# Altium PCB TinyHawk_PCB.PcbDoc (part 2 of 6)
Units mil, origin at the board's own origin, x right, y up, seen from the top; angles counter-clockwise.
Board outline 3399.79 x 3628.14 mil, 6 copper layers (Top Layer, Ground, Signal Layer 2, Signal Layer 1, Power, Bottom Layer), stack 58.153 mil thick; 370 components, 355 nets, 1615 pads, 674 vias.
Unrouted connection lines stored in the file: 1.
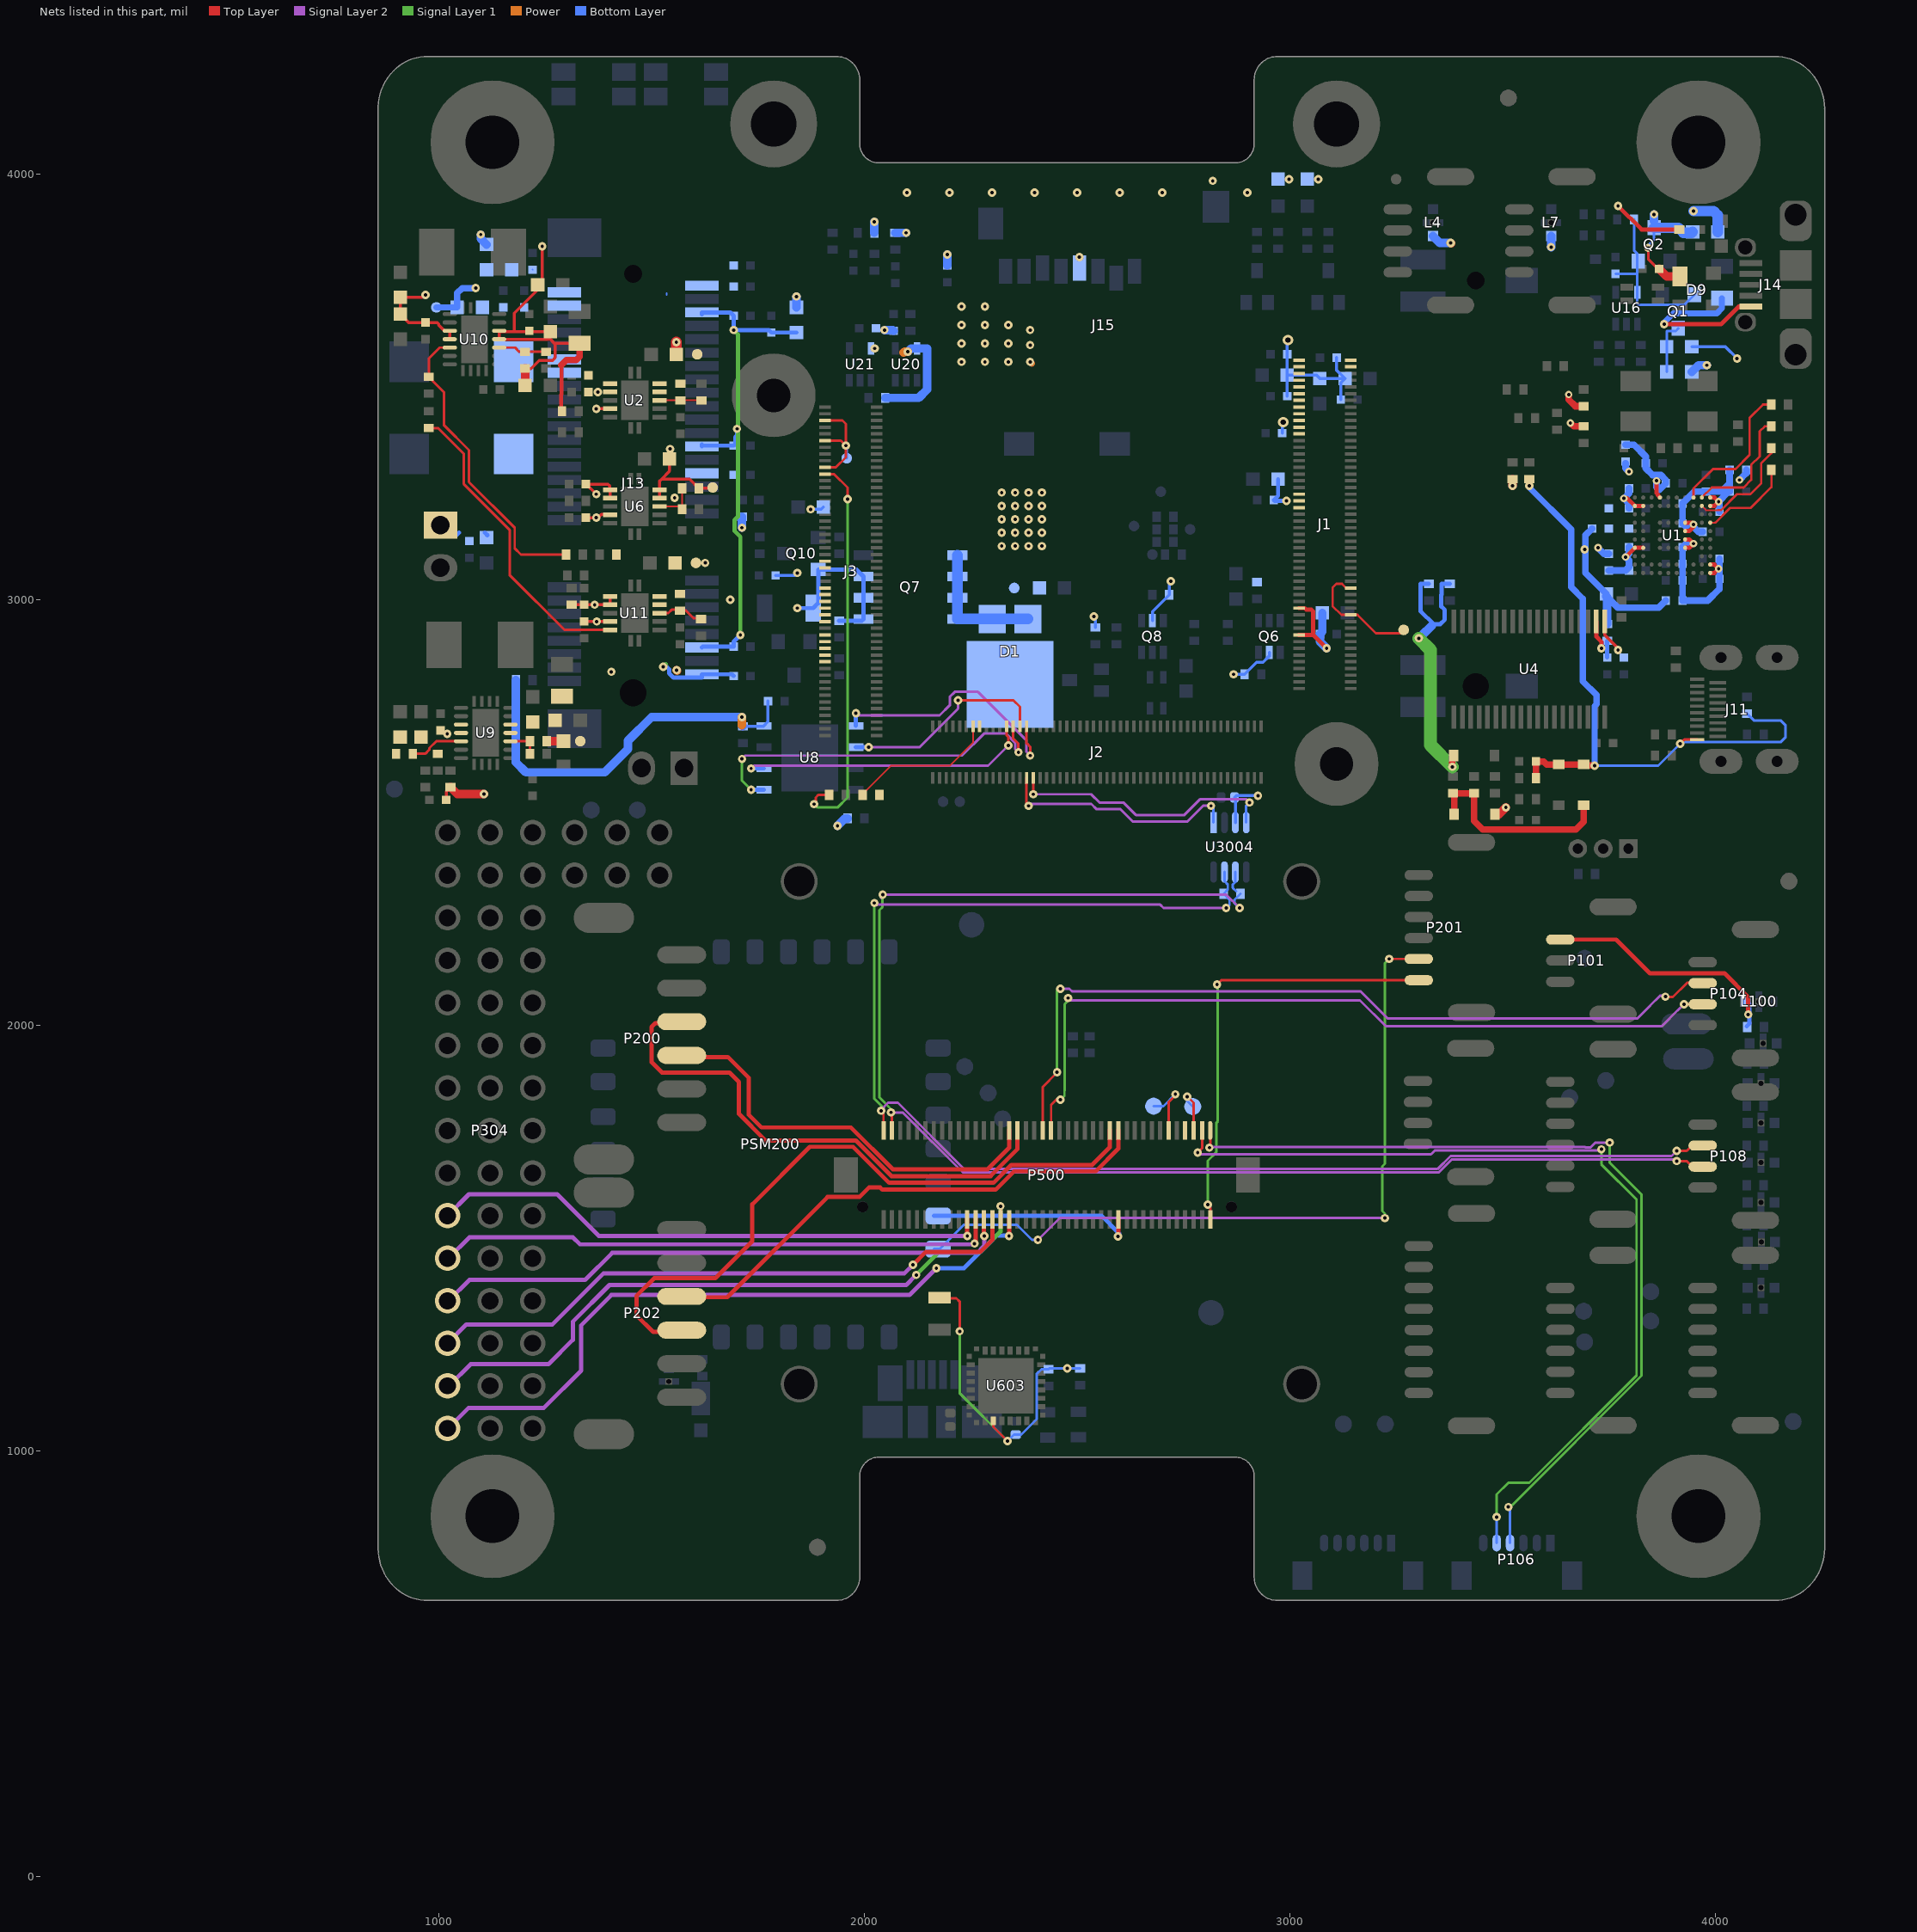
[diagram p6: the nets of this part, all layers, seen from the top]

## Footprints (in the part's own frame and the unit in brackets; to place one, negate y for a bottom-side part, rotate by r counter-clockwise, add the part's x,y. Pads: shape width x height; smd on the part's side, far side on the other; paste and mask are expansions set on the pad) (continued)
PSM [mm]
  rrect50% 1.5x1.016 smd: 5V_HIPOWER(-11.25,-5.318) 5V_PERIPH(-11.25,-3.317) !VBUS_VALID(11.75,0.686) !VDD_BACKUP_VALID(11.75,-1.318) !VDD_BRICK_VALID(11.75,-3.317) GND(-11.25,-7.318) GND(11.75,-7.318) NC(-11.25,0.686) RX(-11.25,-1.318) SERVO_IN(11.75,2.692) SPEK(-11.25,2.692) VDD_5V_IN_PROT(11.75,-5.318)
  rrect50% 1.016x1.5 smd: !VDD_5V_HIPOWER_OC(-5.5,-10.25) !VDD_5V_PERIPH_EN(0.508,-10.25) !VDD_5V_PERIPH_OC(-3.5,-10.25) ALARM(4.521,-10.25) BUZZER_OUT(6.502,-10.25) VBUS(2.515,-10.25) VDD_3V3_SPEKTRUM_EN(-1.5,-10.25) VDD_5V_BACKUP(-1.4,9.75) VDD_5V_BACKUP(0.6,9.75) VDD_BRICK_IN(-5.5,9.75) VDD_BRICK_IN(-3.5,9.75) VDD_VBUS(2.7,9.75) VDD_VBUS(4.7,9.75)
  silkscreen extent -11.33,-10.32 11.9,9.83, body extent -11.3,-10.24 11.66,9.73, height 2.11
R0402 [mm]
  rect 0.5x0.6 smd: 1(-0.5,0) 2(0.5,0)
  silkscreen extent 0,-0.38 0,0.38, body extent -0.5,-0.25 0.5,0.25, height 0.4
R1206 [mm]
  rect 0.9x1.6 smd: 1(-1.45,0) 2(1.45,0)
  silkscreen extent -2.16,-1.14 2.16,1.14, body extent -1.6,-0.8 1.6,0.8, height 0.84
SC70_5 [mm]
  rect 0.75x0.4 smd mask+0.025: 1(-0.95,0.65) 2(-0.95,0) 3(-0.95,-0.65) 4(0.95,-0.65) 5(0.95,0.65)
  silkscreen extent -0.76,-1.14 0.76,1.14, body extent -1.21,-1.14 1.21,1.14, height 1.1
SC70_SOT323 [mm]
  rect 0.9x0.7 smd: 1(-0.95,0.65) 2(-0.95,-0.65) 3(0.95,0)
  silkscreen extent -0.7,-1.27 0.7,1.27, body extent -1.27,-1.27 1.27,1.27, height 1.1
"SCREW M2x8" [mil] "Creator MM"
  body extent -91,-79 91,79, height 252
SOD323 [mil]
  rect 22x27 smd mask+3: 1(-48,0) 2(48,0)
  silkscreen extent -75,-28 71,28, body extent -49,-25 49,25, height 39
SOT23-8 [mm]
  rect 1.27x0.4 smd: 1(0,0)
  oval 1.27x0.4 smd: 2(0,-0.65) 3(0,-1.3) 4(0,-1.95) 5(2.95,-1.95) 6(2.95,-1.3) 7(2.95,-0.65) 8(2.946,0)
  silkscreen extent -0.89,-2.58 3.84,0.64, body extent 0.25,-2.44 2.69,0.48, height 1.33
SOT143 [mm]
  rect 0.9x1.2 smd: 1(-1,0.8)
  rect 0.9x0.8 smd: 2(-1,-1) 3(1,-1) 4(1,1)
  silkscreen extent -1,-1.7 1,1.7, body extent -1,-1.7 1,1.7, height 1
SOT363 [mm] "Creator MM Used Diodes land pattern as suggested"
  rect 0.8x0.42 smd mask+0.06: 1(-0.95,0.65) 2(-0.95,0) 3(-0.95,-0.65) 4(0.95,-0.65) 5(0.95,0) 6(0.95,0.65)
  silkscreen extent -1.4,-1.2 0.7,1.4, body extent -1.2,-1.1 1.2,1.1, height 1.1
SOT-23-3-123 [mm]
  rect 0.9x0.8 smd: 1(-1,0.95) 2(-1,-0.95) 3(1,0)
  silkscreen extent -0.76,-1.65 0.76,1.65, body extent -1.27,-1.65 1.27,1.65, height 1.1
"SPACER 2.5/4.5X1.5MM" [mil] "Creator MM"
  body extent -89,-89 88,88, height 59
"TO-277A (SMPC)" [mm] "Creator MM"
  rect 1.6x1.7 smd: 1(1.065,-2.865) 2(-1.065,-2.865)
  rect 5.2x5.2 smd paste-10: 3(0,1.04)
  silkscreen extent -2.3,-3.2 2.3,-1.9, body extent -2.37,-3.35 2.38,3.3, height 1.2
TP_25C#1 [mil]
  round 25 smd paste-25 mask+2: 1(0,0)
TP_25C#2 [mil]
  round 25 smd far side paste-25 mask+2: 1(0,0)
TP_25C#3 [mil]
  round 25 smd far side paste-25 mask+2: 1(-20,-10)
TSSOP_38 [mm]
  rect 1.4x0.28 smd mask+0.025: 1(-2.85,4.5) 2(-2.85,4) 3(-2.85,3.5) 4(-2.85,3) 5(-2.85,2.5) 6(-2.85,2) 7(-2.85,1.5) 8(-2.85,1) 9(-2.85,0.5) 10(-2.85,0) 11(-2.85,-0.5) 12(-2.85,-1) 13(-2.85,-1.5) 14(-2.85,-2) 15(-2.85,-2.5) 16(-2.85,-3) 17(-2.85,-3.5) 18(-2.85,-4) 19(-2.85,-4.5) 20(2.85,-4.5) 21(2.85,-4) 22(2.85,-3.5) 23(2.85,-3) 24(2.85,-2.5) 25(2.85,-2) 26(2.85,-1.5) 27(2.85,-1) 28(2.85,-0.5) 29(2.85,0) 30(2.85,0.5) 31(2.85,1) 32(2.85,1.5) 33(2.85,2) 34(2.85,2.5) 35(2.85,3) 36(2.85,3.5) 37(2.85,4) 38(2.85,4.5)
  silkscreen extent -4,-5 2.3,5, body extent -2.3,-5 2.3,5, height 1.2
TSW-103-07-G-D [mil] "2x6 pin"
  round 60 / inner round 60 / far side round 74.02 hole 40.16: 1(-100,100) 2(0,100) 3(-100,0) 4(0,0) 5(-100,-100) 6(0,-100)
  body extent -150,-150 50,150, height 330
TSW-115-08-G-T-RA [mil] "15 pin head"
  round 60 / inner round 60 / far side round 74.02 hole 40.16: 1(-100,-700) 2(-100,-600) 3(-100,-500) 4(-100,-400) 5(-100,-300) 6(-100,-200) 7(-100,-100) 8(-100,0) 9(-100,100) 10(-100,200) 11(-100,300) 12(-100,400) 13(-100,500) 14(-100,600) 15(-100,700) GND(100,-700) GND(100,-600) GND(100,-500) GND(100,-400) GND(100,-300) GND(100,-200) GND(100,-100) GND(100,0) GND(100,100) GND(100,200) GND(100,300) GND(100,400) GND(100,500) GND(100,600) GND(100,700) "RX 5V"(0,700) "SERVO VCC"(0,-700) "SERVO VCC"(0,-600) "SERVO VCC"(0,-500) "SERVO VCC"(0,-400) "SERVO VCC"(0,-300) "SERVO VCC"(0,-200) "SERVO VCC"(0,-100) "SERVO VCC"(0,0) "SERVO VCC"(0,100) "SERVO VCC"(0,200) "SERVO VCC"(0,300) "SERVO VCC"(0,400) "SERVO VCC"(0,500) "SERVO VCC"(0,600)
  body extent -492,-750 110,750, height 320
USB_Micro_AB [mm] "Creator MM"
  rect 1.35x0.35 smd mask+0.025: 1(2.675,1.3) 2(2.675,0.65) 3(2.675,0) 4(2.675,-0.65) 5(2.675,-1.3)
  rrect84% 1.25x1.1 hole 0.85 mask+0.04: 6(3,2.225) 7(3,-2.225)
  rrect60% 1.9x2.425 hole 1.3 copper offset 0,-0.363: 8(0,4.175)
  rect 1.9x1.8 smd paste-10: 9(0,1.15) 10(0,-1.15)
  rrect60% 1.9x2.425 hole 1.3 copper offset 0,0.363: 11(0,-4.175)
  silkscreen extent -4.75,-5.4 2.85,5.4, body extent -2.75,-4.32 3.04,4.33, height 2.76
WSON8_6X5MM [mm] "Creator MM"
  rect 0.9x0.45 smd: 1(-2.75,1.905) 2(-2.75,0.635) 3(-2.75,-0.635) 4(-2.75,-1.905) 5(2.75,-1.905) 6(2.75,-0.635) 7(2.75,0.635) 8(2.75,1.905)
  rect 3.4x4 smd: 9(0,0)
  silkscreen extent -3.1,-2.6 3.1,3.1, body extent -3,-2.5 3,2.5, height 0.8

## Part data
C1 C2 C3 C16 C29 C30 C37 C38 C61 C62 C63 C65 C66 C70 C231 C232 C381: library part C1608X5R0J226M080AC, "CAP CER 22UF 6.3V 20% X5R 0603"
C4 C5 C6 C7 C8 C12 C13 C14 C15 C26 C33 C41 C42 C43 C44 C52 C53 C54 C55 C64 C69 C71 C72 C73 C74 C79 C158 C171 C176 C177 C187 C188 C190 C198 C200 C203 C230 C259 C260 C261 C265 C266 C267 C268: library part C1005X5R1H104K, "CAP CER .10UF 50V X5R 10% 0402"
C10 C20 C58 C60 C91 C185: library part C1608X5R0J106M, "CAP CER 10UF 6.3V X5R 20% 0603"
C11 C17: library part JMK212BJ476MG-T, "CAP CER 47UF 6.3V 20% X5R 0805"
C18 C56 C89: library part C1005X5R1C105K, "CAP CER 1.0UF 16V X5R 0402"
C19 C57 C90 C262 C263 C264: library part C1005X5R1A475M, "CAP CER 4.7UF 10V 20% X5R 0402"
C21 C59 C92: library part GRM155R71H272KA01D, "CAP CER 2700PF 50V 10% X7R 0402"
C39 C40 C67 C68: library part C1005X5R1A225K, "CAP CER 2.2UF 10V 10% X5R 0402"
C45 C46 C47 C50 C51 C183 C184: library part C1005X7R1H221K, "CAP CER 220PF 50V X7R 10% 0402"
C48 C49: library part C1005C0G1H150J, "CAP CER 15PF 50V 5% NP0 0402"
C106: library part C2012X5R1C226K, "CAP CER 22UF 16V 10% X5R 0805"
C257 C258: library part T520D337M006ATE045, "CAP TANT 330UF 6.3V 20% 2917"
C604 C605: library part CAP0402, "<b>Capacitor</b> / Standard 0603 ceramic capacitor, and 0.1\" leaded capacitor."
C3004: library part CAP0402, "CAP CER 0.1UF 16V Y5V 0402"
CR1: library part Card_Mini_PCIe, "Card MIni PCIe"
CR2: library part Card_Micro_SD, "Card Micro SD"
D1: "DIODE SCHOTTKY 40V 10A TO277A"
D2 D6 D7 D16: "DIODE SCHOTTKY 30V 0.2A SOD323"
D4 D8 D19: "SUPPRESSOR ESD 24VDC 0603 SMD"
D5: library part "LS L29K-H1J2-1-Z", "LED SMARTLED RED 630NM 0603 SMD"
D9: "DIODE SWITCHING 50V SOT-143"
D14: library part "LG L29K-G2J1-24-Z", "LED SMARTLED GREEN 570NM 0603"
D27: "DIODE SCHTKY 30MA 30V SOD-323"
D100 D101 D102 D103 D104 D105 D106 D107 D108 D301: "Diode, TVS, 14VWM, 40VC, 0402, SMD"
D300: library part DIODE-SCHOTTKY_MSMP, "Diode, Schottky, 40V, 1A, MicroSMP, SMD"
FB3 FB4 FB5 FB8 FB11: "FERRITE CHIP 600 OHM 0402 420mA"
FB6 FB7 FB9 FB10 FB12: library part BLM18SG221TN1D, "FERRITE CHIP 220 OHM 2500MA 0603"
FB24: library part MPZ1608S601A, "FERRITE CHIP BEAD 600 OHM SMD 1A"
FID1 FID2 FID3 FID4 FID5 FID6 FID7 FID8: "Fiducial 40mil Diameter, 120mil Mask"
J1 J2 J3: library part DF40C-100DS-0.4V(51)_v1.1, "CONN RCPT 100POS 0.4MM SMD GOLD"
J8: "CONN HEADER 2POS .100 VERT GOLD"
J11: "CONN RCPT HDMI MICRO TYPE-D R/A"
J13: "CONN MINI EXPRESS CARD 52POS SMD"
J14: library part 0475890001, "CONN RCPT MICRO USB AB R/A SMD"
J15: "CONN MICRO SD 8 POS SMD"
J20: "CONN MINI EXPRESS CARD LATCH SMD"
JP1: library part 68001-202HLF, "BERGSTIK II .100\" SR STRAIGHT"
JP100: "Connector, PCB, 2MM, 2Pos, R/A, SMD, Au"
JP400 JP401: "<b>Fiducial Alignment Points</b> / Various fiducial points for machine vision alignment."
L1 L2: library part IHLP2020CZER1R5M11, "FIXED IND 1.5UH 7.5A 18.5 MOHM"
L4 L7 L100 L101 L102 L103 L104 L105 L106 L107 L300: library part KNH16C104DA5TS, "Capacitor, Filter, 0.1uF, 25V, 2A, 0603, SMD"
L6 L8: "CHOKE COMM MODE 90 OHM .4A SMD"
L601: library part INDUCTOR0805
LED600 LED601: library part LED0603, "<b>LEDs</b> / Standard schematic elements and footprints for 5mm, 3mm, 1206, and 0603 sized LEDs. 5mm - Spark Fun Electronics SKU : COM-00529 (and others)"
M1: library part 3D_iMX6_TINYREX_MODULE_V1I1, "3D Model"
MH1 MH2 MH3 MH4: "Mounting Hole 7.4mm Diameter, 3.2mm Drill"
MH5 MH6: "Mounting Hole 5mm Diameter, 2mm Drill"
MH11 MH12: "Mounting Hole 5.2mm Diameter, 2.7mm Drill"
NUT3 NUT4: library part PFP1166, "ROEBUCK - PFP1166 - FULL NUT A4 SS M2 (PK 100)"
P1 P2 P102 P104 P108: "Connector, Rcpt, 4Pos, 1.25MM, W/B, VERT, SMD, Tin"
P100 P103 P109 P201: "Connector, Rcpt, 6Pos, 1.25MM, W/B, VERT, SMD, Tin"
P101: "Connector, Rcpt,1.25MM,W/B,SGL,S/T,3CKT,SMD,Tin"
P105 P106: "Connector, Header, 6Pos, .8mm IDC, R/A, SMD, Tin"
P107: "Connector, Rcpt, 8Pos, 1.25MM, W/B, VERT, SMD, Tin"
P200 P202 P301: "Connector, Header, 6Pos, 2.54MM, Vert, THT, Au"
P304: "Connector, Header, 45Pos, 2.54MM, R/A, THT, Tin"
P500: "Connector, Header, 80Pos, .5MM, DUAL, SMD, Au"
PSM200: library part PSMPSM, "PCA, PSM, PX4, Assembly"
Q1 Q2: "MOSFET P-CH 20V 3.6A SOT-23"
Q3 Q4 Q5: "MOSFET N-CH 60V 310MA SOT323"
Q6 Q8: "MOSFET 2N-CH 60V 0.3A 6TSSOP"
Q7: "MOSFET P-CH 30V 8.8A 8-SOIC"
Q10: "TRANS PNP 40V 0.2A SOT23"
R1 R2 R3 R4 R10 R11 R24 R26 R27 R28 R37 R45 R64 R65 R81 R117 R140 R147 R201 R204 R206 R224 R247 R293: library part RC0402FR-0710KL, "RES 10.0K OHM 1/16W 1% 0402 SMD"
R5 R8 R9 R22 R30 R31 R39 R58 R59 R63 R104 R105 R109 R139 R153 R155 R162 R163 R164 R165 R174 R220 R304 R501 R502: library part RC0402JR-070RL, "RES 0.0 OHM 1/16W 0402 SMD"
R6 R7: library part RMCF0402FT4K99, "RES TF 4.99K OHM 1% 1/16W 0402"
R12 R13 R40 R48 R49: library part RC0402FR-0747KL, "RES 47.0K OHM 1/16W 1% 0402 SMD"
R18: library part CRCW04022K10FKED, "RES 2.10K OHM 1/16W 1% 0402 SMD"
R20 R83 R226: library part CRCW04022K40FKED, "RES 2.40K OHM 1/16W 1% 0402 SMD"
R25 R29 R38 R214: library part RMCF0402FT100K, "RES 100K OHM 1/16W 1% 0402 SMD"
R35 R42 R43 R166 R167 R168 R169: library part RC0402FR-0722RL, "RES 22.0 OHM 1/16W 1% 0402 SMD"
R50: library part RC0402FR-0727KL, "RES 27.0K OHM 1/16W 1% 0402 SMD"
R51 R67: library part RC0402FR-071KL, "RES 1.00K OHM 1/16W 1% 0402 SMD"
R54 R55 R70: library part RC0402FR-073K3L, "RES 3.30K OHM 1/16W 1% 0402 SMD"
R66 R141 R149: library part RMCF0402FT33R0, "RES TF 33 OHM 1% 1/16W 0402"
R72: library part CRCW0402390KFKED, "RES 390K OHM 1/16W 1% 0402 SMD"
R82: library part RC0402FR-073KL, "RES 3K OHM 1/16W 1% 0402 SMD"
R100: library part RNCP1206FTD1K00, "RES SMD 1K OHM 1% 1/2W 1206"
R144 R145 R146 R148: library part RMCF0402FT240R, "RES TF 240 OHM 1% 0.0625W 0402"
R211 R216: library part CRCW04021M02FKED, "RES 1.02M OHM 1/16W 1% 0402 SMD"
R213: library part CRCW0402113KFKED, "RES 113K OHM 1/16W 1% 0402 SMD"
R217: library part CRCW0402182KFKED, "RES 182K OHM 1/16W 1% 0402 SMD"
R225: library part RC0402FR-075K1L, "RES 5.10K OHM 1/16W 1% 0402 SMD"
R292: library part CRCW040211K8FKED, "RES 11.8K OHM 1/16W 1% 0402 SMD"
R296: library part CRCW040210K5FKED, "RES 10.5K OHM 1/16W 1% 0402 SMD"
R301: library part CRCW0402470KFKED, "RES 470K OHM 1/16W 1% 0402 SMD"
R607 R608: library part RESISTOR0402-RES, "<b>Resistor</b> / Basic schematic elements and footprints for 0603, 1206, and PTH 1/10th watt (small) resistors."
R3010: library part RESISTOR0402-RES, "RES 120 OHM 1/16W 1% 0402 SMD"
S600 S601: library part SWITCH-MOMENTARY-2
SCR3 SCR4: library part "MPMS 002 0008 PH", "MACHINE SCREW PAN PHILLIPS M2"
SPA3 SPA4: library part "SPACER 2.5/4.5X1.5MM", "SPACER 2.5/4.5X1.5MM"
SPKT100: "Spektrum RX connector; JST ZH series S3B-ZR-SM4A-TF"
TP1 TP2 TP3 TP4 TP5 TP6 TP7 TP8 TP9 TP10 TP11 TP12 TP13 TP14 TP15: "Test Point 25mil"
U1: "IC RCVR HDMI 165MHZ LP 76-CSBGA"
U2 U6 U11: "IC REG LDO ADJ 1.5A 10SON"
U4: "IC HDMI RCVR PORT PROT 38-TSSOP"
U8: library part SST25VF016B-75-4I-QAF, "IC FLASH 16MBIT 75MHZ 8WSON"
U9 U10: "IC REG BUCK BST SYNC ADJ 14VSON"
U16: "IC BUFF CMOS LVL/SFTR N-I SOT353"
U20 U21: "SINGLE POSITIVE AND GATE SC-70"
U27: "IC VREF SHUNT ADJ SOT23-3"
U603: "USB UART Asynchronous Serial Data Transfer Chip, 32-pin QFN, Tape and Reel"
U3004: library part MAX3051MAX3051EKA, "IC TXRX CAN 1MBPS SOT23-8"
USB600: library part MOLEX-47346-0001
Y1: library part ABM3B-28.63636MHZ-10-1-U-T, "CRYSTAL 28.63636MHZ 10PF SMD"

## Via types
v1: diameter 19.68, hole 7.87, Top Layer to Bottom Layer, tented both sides, 619 vias
v2: diameter 17.72, hole 7.87, Top Layer to Bottom Layer, tented both sides, 36 vias
v3: diameter 50, hole 28, Top Layer to Bottom Layer, tented both sides, 13 vias
v4: diameter 19.68, hole 7.87, Top Layer to Bottom Layer, 3 vias
v5: diameter 25, hole 13, Top Layer to Bottom Layer, tented both sides, 3 vias

## Nets (pads, with @x,y where several pads share a name; then routed paths per layer and width w, separated by ;. In a path a pad name is that pad's centre, name@x,y a point inside that pad or via, vN(x,y) a via of type N, cw(c..) or ccw(c..) an arc to the next point about the centre after c; other vN are vias at no path point)
5V_PRES: D100.C L100.P$2 P101.1 | length 594.3
  Top Layer w10: P101.1@3635.83,2201.46 3767.04,2201.46 3846.46,2122.05 4021.87,2122.05 4077.46,2066.45 v1(4077.46,2025.45)
  Bottom Layer w10: D100.C@4073.78,1997.45 4080.46,2004.13 L100.P$2@4080.46,2050.45
+1V2_TP: J3.6 J3.12 J3.20 TP7.1 | length 274.7
  Top Layer w6: J3.20@1907.48,3311.02 1933.07,3311.02 1956.69,3334.65 v1(1956.69,3362.2) ; J3.12@1907.48,3374.02 1944.88,3374.02 v1(1956.69,3362.2) ; J3.6@1907.48,3421.26 1948.82,3421.26 1956.69,3413.39 v1(1956.69,3362.2)
  Bottom Layer w6: v1(1956.69,3362.2) 1958.66,3360.24 TP7.1@1958.66,3332.68
+1V5: C20.1 FB10.2 R18.2 TP1.1 U6.9 U6.10 | length 281.5
  Top Layer w7.09: U6.9@1518.78,3238.94 U6.10@1518.78,3258.62 1518.78,3279.53 1519.68,3279.53 1523.62,3283.46 ; v1(1543.31,3354.33) 1543.31,3331.69 C20.1@1542.32,3330.71 1542.32,3302.17 1523.62,3283.46 ; TP1.1@1643.7,3263.78 1641.73,3261.81 R18.2@1611.22,3261.81 1589.57,3283.46 1523.62,3283.46
  Bottom Layer w20: FB10.2@1840.55,3687.01 v1(1840.55,3712.6)
+1V5_MPCIE: C259.1 C260.1 C261.1 C262.1 FB10.1 J13.6 J13.28 J13.48 | length 1227.7
  Signal Layer 1 w10: v1(1692.91,3633.86) 1702.88,3623.89 1702.88,3195.26 1694.76,3187.13 1694.76,3161.9 1708.66,3148 v1(1708.66,2917.32)
  Bottom Layer w10: J13.6@1618.11,2887.79 1620.08,2889.76 C260.1@1692.91,2889.76 1692.91,2901.57 v1(1708.66,2917.32) ; J13.28@1618.11,3364.42 J13.28@1618.11,3360.23 1620.08,3362.2 C261.1@1692.91,3362.2 1696.85,3366.14 1696.85,3381.89 1700.79,3385.83 v1(1700.79,3401.57) ; J13.48@1618.11,3671.01 J13.48@1618.11,3675.19 1685.04,3675.19 C259.1@1692.91,3667.32 v1(1692.91,3633.86) 1775.59,3633.86 C262.1@1781.5,3627.95 FB10.1@1840.55,3627.95
+1V8: C58.1 FB3.1 FB5.1 FB11.1 R82.2 TP4.1 U2.9 U2.10 | length 118.2
  Top Layer w25: C58.1@1558.07,3576.77 v1(1558.07,3605.32)
  Power w15.75: v1(2389.76,3559.06) v1@2393.45,3555.37
  Bottom Layer w15.75: v2(3724.4,3122.04) 3738.19,3108.27 FB5.1@3750,3108.27 ; FB11.1@3789.37,3320.87 3789.37,3309.06 v2(3797.24,3301.18) ; v2(4057.09,3281.5) 4072.83,3297.24 FB3.1@4072.83,3305.12
  other v1: 2228.35,3559.06 2283.46,3559.06 2338.58,3559.06 2389.76,3598.43 2228.35,3602.36 2283.46,3602.36 2338.58,3602.36 2389.76,3633.86 2228.35,3645.67 2283.46,3645.67 2338.58,3645.67 2228.35,3688.98 2283.46,3688.98
+1V8_CVDD: C55.2 C177.2 FB5.2 U1.G1 U1.G2 | length 154.6
  Top Layer w9.84: v2(3789.37,3100.39) U1.G1@3811.02,3122.05 U1.G2@3830.71,3122.05
  Bottom Layer w15.75: FB5.2@3750,3068.9 3789.37,3068.9 3797.24,3076.77 3797.24,3092.52 v2(3789.37,3100.39) 3797.24,3108.27 C177.2@3797.24,3124.02
+1V8_DVDD: C41.2 C42.2 C43.2 C44.2 C45.1 C46.1 FB3.2 U1.A10 U1.B10 U1.D7 U1.E7 | length 450.3
  Top Layer w9.84: U1.E7@3929.13,3161.42 3938.98,3161.42 3948.81,3171.25 v2(3948.81,3177.16) 3944.87,3181.1 U1.D7@3929.13,3181.1 ; U1.B10@3988.19,3220.47 3998.03,3220.47 v2(4007.87,3230.32) 3998.03,3240.16 U1.A10@3988.19,3240.16
  Bottom Layer w15.75: C46.1@3970.47,3159.45 3960.63,3159.45 3948.81,3171.27 v2(3948.81,3177.16) 3937,3177.16 3931.1,3171.26 C43.2@3923.23,3179.13 C42.2@3923.23,3226.38 3950.79,3253.94 C44.2@3978.35,3253.94 4013.78,3253.94 4033.46,3273.62 ; C45.1@4009.84,3206.69 4009.84,3228.35 v2(4007.87,3230.32) 4031.5,3253.94 C41.2@4033.46,3253.94 FB3.2@4033.46,3305.12
+1V8_PVDD: C51.1 C190.2 FB11.2 U1.A4 | length 241.9
  Top Layer w9.84: v2(3862.2,3279.52) 3862.2,3250.01 3866.14,3246.06 3865.16,3245.08 U1.A4@3870.08,3240.16
  Bottom Layer w15.75: FB11.2@3789.37,3364.17 3809.05,3364.17 3836.61,3336.61 C190.2@3836.61,3320.87 3836.61,3309.06 3852.36,3293.31 3872.05,3293.31 3883.86,3281.5 C51.1@3883.86,3273.62 3868.45,3258.21 3862.2,3264.46 v2(3862.2,3279.52)
+2V5: C14.1 C91.1 C232.1 J3.48 J3.58 R224.2 R225.2 TP15.1 U11.9 U11.10 | length 85.5
  Bottom Layer w7.09: C14.1@1791.34,3057.09 1836.61,3057.09 v1(1842.52,3062.99) ; v1(1874.02,3212.6) 1898.39,3212.6 C232.1@1903.7,3217.91
  other v1: 1625.98,3086.61